# Altium PCB k210-core.PcbDoc (part 2 of 3) (continued)
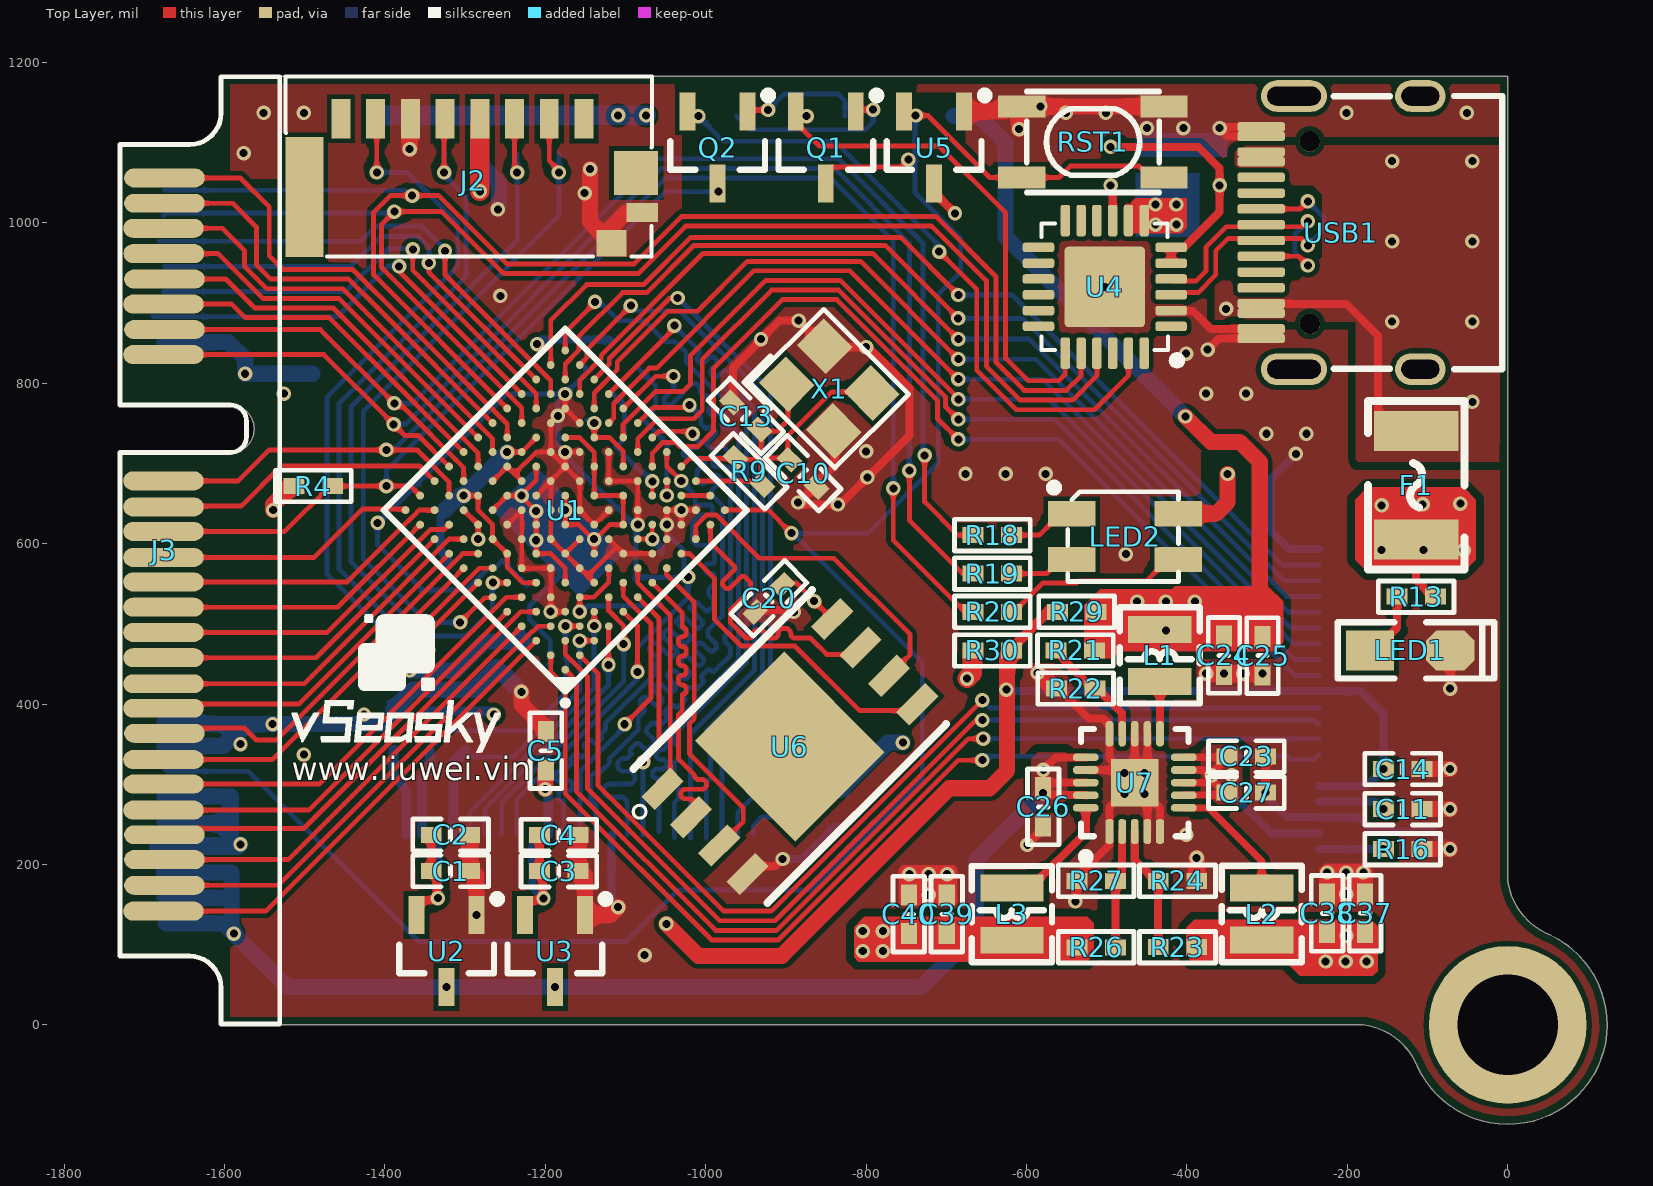
[diagram p0: Top Layer view]
## Nets (pads, with @x,y where several pads share a name; then routed paths per layer and width w, separated by ;. In a path a pad name is that pad's centre, name@x,y a point inside that pad or via, vN(x,y) a via of type N, cw(c..) or ccw(c..) an arc to the next point about the centre after c; other vN are vias at no path point) (continued)
IO_6: J3.1 U1.G11 | length 607.1
  Top Layer w6: J3.1@-1674.84,1055.91 -1580.25,1055.91 -1544.14,1019.81 -1544.14,958.79 -1527.17,941.81 -1440.03,941.81 -1379.14,880.92 -1379.14,880.81 -1247.48,749.14 U1.G11@-1247.48,732.29
IO_7: J3.3 U1.G12 | length 554.7
  Top Layer w6: J3.3@-1674.84,1024.42 -1589.75,1024.42 -1560.14,994.81 -1560.14,947.81 -1542.14,929.81 -1445.11,929.81 -1409.11,893.81 ; -1406,890.81 -1409,893.81 -1409.11,893.81 ; U1.G12@-1265.57,750.38 -1265.69,750.38 -1406.06,890.75 -1409.11,893.81
IO_8: J3.5 U1.F11 | length 547.6
  Top Layer w6: J3.5@-1676,993.19 -1602.53,993.19 -1575.14,965.81 -1575.14,945.84 -1547.11,917.81 -1452.33,917.81 -1265.57,731.05 U1.F11@-1265.57,714.19
IO_9: J3.7 U1.F12 | length 487
  Top Layer w6: J3.7@-1675.67,961.62 -1607.89,961.62 -1552.08,905.81 -1457.3,905.81 -1414.3,862.81 -1414.19,862.81 U1.F12@-1283.67,732.29
IO_10: J3.9 U1.E11 | length 497.9
  Top Layer w6: J3.9@-1674.84,929.93 -1598.35,929.93 -1562.23,893.81 -1464.52,893.81 -1283.67,712.95 U1.E11@-1283.67,696.1
IO_11: J3.11 U1.E12 | length 450.7
  Top Layer w6: J3.11@-1676,898.7 -1591.04,898.7 -1574.14,881.81 -1469.49,881.81 -1420.49,832.81 -1420.38,832.81 U1.E12@-1301.76,714.19
IO_12: J3.13 R18.2 U1.D11 | length 1691.3
  Top Layer w6: J3.13@-1674.84,866.94 -1480.27,866.94 v1(-1388.14,774.81) -1381.71,774.81 -1301.76,694.86 U1.D11@-1301.76,678 ; v1(-727,710) -727,652 -685.67,610.67 R18.2@-666.51,610.67
  Bottom Layer w6: v1(-1388.14,774.81) -1365.1,774.81 -1060.1,1079.81 -834.16,1079.81 -729,974.65 -729,712 v1(-727,710)
IO_13: J3.15 R19.2 U1.D12 | length 1680.5
  Top Layer w6: J3.15@-1676,835.71 -1476.05,835.71 v1(-1389.14,748.81) -1375.14,734.81 -1358.57,734.81 U1.D12@-1319.86,696.1 ; v1(-746,691) -746,629 -679.67,562.67 R19.2@-666.51,562.67
  Bottom Layer w6: v1(-1389.14,748.81) -1374.13,748.81 -1055.13,1067.81 -839.13,1067.81 -746,974.68 v1(-746,691)
IO_14: J3.17 R20.2 U1.C11 | length 1720.6
  Top Layer w6: J3.17@-1676,678.23 -1582.72,678.23 -1544.14,716.81 v1(-1398.14,716.81) -1359.9,716.81 -1319.86,676.77 U1.C11@-1319.86,659.91 ; v1(-766,669) -766,604 -676.86,514.86 R20.2@-666.51,514.86
  Bottom Layer w6: v1(-1398.14,716.81) -1389.16,716.81 -1050.16,1055.81 -844.1,1055.81 -766,977.71 v1(-766,669)
IO_15: J3.19 U1.C12 | length 367
  Top Layer w6: J3.19@-1676,645.75 -1674.94,646.81 -1579.14,646.81 -1529.14,696.81 -1356.76,696.81 U1.C12@-1337.95,678
IO_17: J3.23 U1.A12 | length 327.3
  Top Layer w6: J3.23@-1676,582.76 -1488.24,582.76 -1428,643 -1375.33,643 U1.A12@-1374.14,641.81
IO_18: J3.25 U1.B11 | length 375.2
  Top Layer w6: J3.25@-1676,552.25 -1446.85,552.25 -1371.21,627.89 -1371.11,627.89 -1360.22,638.78 -1360.22,638.87 -1357.28,641.81 U1.B11@-1337.95,641.81
IO_19: J3.27 U1.A11 | length 362.6
  Top Layer w6: J3.27@-1676,520.75 -1459.01,520.75 U1.A11@-1356.05,623.71
IO_20: J3.29 U1.B10 | length 411.8
  Top Layer w6: J3.29@-1676,489.25 -1471.7,489.25 -1343.41,617.54 -1326.03,617.54 U1.B10@-1319.86,623.72
IO_21: J3.31 U1.A10 | length 399.3
  Top Layer w6: J3.31@-1676,457.76 -1485.81,457.76 U1.A10@-1337.95,605.62
IO_22: J3.33 U1.B9 | length 448.9
  Top Layer w6: J3.33@-1676,425.28 -1500.72,425.28 -1320.38,605.62 U1.B9@-1301.76,605.62
IO_23: J3.35 U1.A9 | length 436
  Top Layer w6: J3.35@-1676,394.77 -1670.77,400 -1507.38,400 U1.A9@-1319.86,587.52
IO_24: J3.37 U1.B8 | length 495.3
  Top Layer w6: J3.37@-1674,364 -1668,370 -1575,370 -1560,355 -1535.52,355 -1303,587.53 U1.B8@-1283.67,587.52
IO_25: J3.39 U1.A8 | length 473.1
  Top Layer w6: J3.39@-1676,330.79 -1540.4,330.79 U1.A8@-1301.76,569.43
IO_26: J2.7 R17.2 U1.B7 | length 1092.2
  Top Layer w6: J2.7@-1411.54,1130 -1410,1128.46 v1(-1410,1062.76) ; v1(-1397,429) -1397,454.86 -1282.43,569.43 U1.B7@-1265.57,569.43
  Bottom Layer w6: R17.2@-1410,1086 v1(-1410,1062.76) -1372.13,1062.76 -1309,999.63 -1309,946 -1472,783 -1472,562 -1397,487 v1(-1397,429)
IO_27: J2.5 R15.2 U1.A7 | length 924.7
  Top Layer w6: v1@-1346,469 -1346,489 U1.A7@-1283.67,551.33 ; v1(-1326.14,1062.76) -1326.14,1128.78 J2.5@-1324.92,1130
  Bottom Layer w6: v1(-1346,467) -1347.91,468.91 -1357.91,468.91 -1457,568 -1457,775 -1299,933 -1299,1032.62 -1326.14,1059.77 v1(-1326.14,1062.76) -1326.14,1082.86 -1327.14,1083.86 R15.2@-1325,1086
IO_28: J2.3 R14.2 U1.B6 | length 943.7
  Top Layer w6: v1(-1265.33,551.33) U1.B6@-1247.48,551.33 ; U1.B6@-1247.95,551.81 U1.B6@-1247.48,551.33 ; U1.B6@-1247.25,551.33 U1.B6@-1247.48,551.33 ; J2.3@-1238.31,1130 -1238.31,1068.77 -1235,1065.46 v1(-1235,1062.76)
  Bottom Layer w6: v1(-1265.33,551.33) -1266.14,550.52 -1266.14,517.77 -1299.1,484.81 -1349.81,484.81 -1442,577 -1442,771 -1235,978 v1(-1235,1062.76) R14.2@-1235,1086
IO_29: J2.2 R12.2 U1.A6 | length 885.5
  Top Layer w6: v1(-1306.14,501.81) -1275.45,532.5 -1266.31,532.5 U1.A6@-1265.57,533.24 ; J2.2@-1195,1130 -1195,1077.46 -1183,1065.46 v1(-1183,1062.76)
  Bottom Layer w6: v1(-1306.14,501.81) -1347.71,501.81 -1427,581.1 -1427,765 -1183,1009 v1(-1183,1062.76) R12.2@-1183,1086
IO_30: J3.41 U1.B5 | length 543.1
  Top Layer w6: J3.41@-1676,300.28 -1481.68,300.28 -1248.71,533.24 U1.B5@-1229.38,533.24
IO_31: J3.43 U1.A5 | length 531
  Top Layer w6: J3.43@-1676,267.8 -1494.82,267.8 U1.A5@-1247.48,515.14
IO_32: J3.45 U1.B4 | length 578.8
  Top Layer w6: J3.45@-1674.84,237.01 -1666.86,245 -1500.76,245 -1230.62,515.14 U1.B4@-1211.29,515.14
IO_33: J3.47 U1.A4 | length 566
  Top Layer w6: J3.47@-1674.84,206.06 -1520.37,206.06 U1.A4@-1229.38,497.05
IO_34: J3.49 U1.B3 | length 615.5
  Top Layer w6: J3.49@-1674.84,174.02 -1533.08,174.02 -1216.22,490.87 -1215.08,490.87 -1208.91,497.05 U1.B3@-1193.19,497.05
IO_35: J3.51 U1.A3 | length 604.4
  Top Layer w6: J3.51@-1676,141.81 -1548.43,141.81 U1.A3@-1211.29,478.95
IO_36: P1.7 U1.A2 | length 1295.3
  Top Layer w6: U1.A2@-1193.19,460.86 -1193.19,440.41 -1175.02,422.24 -1175.02,288.3 -992.53,105.81 -909.23,105.81 -685.04,330 v1(-655,330)
  Bottom Layer w6: v1(-655,330) -650,335 -274.12,335 -269.61,330.49 -241.76,330.49 P1.7@-234.98,337.27
IO_37: P1.8 U1.A1 | length 1254.3
  Top Layer w6: U1.A1@-1175.1,442.76 -1161.14,428.81 -1161.14,291.39 -987.56,117.81 -911.37,117.81 -672.37,356.81 v1(-654.14,356.81)
  Bottom Layer w6: v1(-654.14,356.81) -235.12,356.81 P1.8@-234.98,356.96
IO_38: P1.9 U1.B2 | length 1283
  Top Layer w6: U1.B2@-1175.1,478.95 -1175.1,462.09 -1147.14,434.14 -1147.14,294.36 -982.59,129.81 -913.52,129.81 -663.33,380 v1(-655,380)
  Bottom Layer w6: v1(-655,380) -242,380 -236.81,374.81 P1.9@-234.98,376.64
IO_39: P1.10 U1.B1 | length 1249.7
  Top Layer w6: U1.B1@-1157,460.86 -1134.14,438 -1134.14,298.33 -977.62,141.81 -918.19,141.81 v1(-655,405)
  Bottom Layer w6: v1(-655,405) -645,395 -236.3,395 P1.10@-234.98,396.33
ISP_RX: J3.4 U1.H11 U4.21 | length 1762.8
  Top Layer w6: v1@-1388,1013 v1@-1390,1013 ; U1.H11@-1229.38,750.38 -1229.38,769.4 -1404,944.02 -1404,998 -1390,1012 v1@-1390,1013 ; U4.21@-512.2,837.45 -512.2,809.35 -542.55,779 -607.94,779 -650,821.06 -650,928 -718,996 -1025.03,996 -1084.27,936.76 -1251.76,936.76 -1329,1014 v1(-1388,1014) -1389,1014 v1@-1390,1013
  Bottom Layer w6: J3.4@-1676,1008.94 -1672.85,1012.09 -1387.91,1012.09 v1@-1386,1014
ISP_TX: J3.2 U1.H12 U4.20 | length 1764
  Top Layer w6: v1@-1366,1033 -1367,1034 -1393,1034 -1414,1013 -1414,935 U1.H12@-1247.48,768.48 ; v1(-1366,1034) -1333,1034 -1247.76,948.76 -1089.24,948.76 -1030,1008 -713,1008 -638,933 ; -638,932.97 -638,826.03 -602.97,791 -550.23,791 -531.88,809.35 U4.20@-531.88,837.45
  Bottom Layer w6: J3.2@-1674.84,1040.71 -1375.41,1040.71 -1369.71,1035 v1@-1366,1035
JTAG_TCK: J3.6 U1.K11 | length 612
  Top Layer w6: v1(-1325,965) -1325,935.24 -1193.19,803.43 U1.K11@-1193.19,786.57
  Bottom Layer w6: J3.6@-1682,977 -1430,977 -1411,996 -1353.86,996 -1325,967.14 v1(-1325,965)
JTAG_TDI: J3.8 U1.K12 | length 576.6
  Top Layer w6: v1(-1345,950) -1345,938.38 U1.K12@-1211.29,804.67
  Bottom Layer w6: J3.8@-1674.84,945.68 J3.8@-1674.84,945.68 -1442.32,945.68 -1405.19,982.81 -1358.52,982.81 -1345,969.29 v1(-1345,950) v1@-1349,946
JTAG_TDO: J3.12 U1.J12 | length 555.8
  Top Layer w6: v1(-1382.14,945.81) -1382.14,939.33 U1.J12@-1229.38,786.57
  Bottom Layer w6: J3.12@-1689,884 -1687.96,882.96 J3.12@-1676,882.96 -1603.98,882.96 -1603.94,883 -1459,883 -1396.19,945.81 v1(-1382.14,945.81)
JTAG_TMS: J3.10 U1.J11 | length 597.7
  Top Layer w6: v1(-1365.14,966.81) -1365.14,940.95 -1211.29,787.1 U1.J11@-1211.29,768.48
  Bottom Layer w6: J3.10@-1676,914.45 -1448.55,914.45 -1395,968 -1369.99,968 -1368.99,969 v1@-1363,969
NetC6_1: C6.1 R6.2 U4.5 U4.6 | length 300.1
  Top Layer w10: v1(-495.14,1094.81) -385.81,1094.81 -359.14,1068.14 v1(-359.14,1046.81) -359.14,1013.6 -403.4,969.34 U4.6@-419.68,969.34 U4.5@-419.68,949.66
NetC10_1: C10.1 R9.2 U1.M3 X1.3 | length 302.4
  Top Layer w6: U1.M3@-1012.24,678 -936,678 -933.23,675.23 R9.2@-931.08,675.23 ; R9.2@-928.96,673.11 R9.2@-931.08,675.23 ; R9.2@-928,674 -929.23,675.23 R9.2@-931.08,675.23 ; C10.1@-900,706 -900.72,706.72 -924.14,706.72 -931.08,699.78 R9.2@-931.08,675.23 ; C10.1@-895.53,704.6 -897.65,706.72 -897.65,734.35 -842.8,789.2 -802.2,789.2 X1.3@-798,785
NetC13_1: C13.1 R9.1 U1.M4 X1.1 | length 222.9
  Top Layer w6: U1.M4@-1030.33,696.1 -1020.43,706 R9.1@-965,706 ; R9.1@-965,704.93 R9.1@-960.78,704.93 ; R9.1@-962.9,707.06 R9.1@-960.78,704.93 ; C13.1@-933.09,742.16 -930.97,740.04 -910.96,740.04 -897.32,753.68 -897.32,796.32 X1.1@-900,799 ; C13.1@-930.97,737.97 -930.97,714.03 -940.07,704.93 R9.1@-960.78,704.93
NetC41_1: C41.1 C42.1 R25.1 U1.L4 | length 206.6
  Top Layer w6: U1.L4@-1048.43,678 -1048.14,677.72 U1.L4@-1048.14,677.95 ; v1(-1048.29,660.01) U1.L4@-1048.29,677.86
  Bottom Layer w6: R25.1@-1083.88,818.46 -1062.14,796.72 -1062.14,770.15 C42.1@-1077.78,754.51 C41.1@-1046.37,723.1 -1048.49,720.98 -1048.49,660.22 v1@-1048.14,659.87
NetC41_2: C41.2 C42.2 R28.1 U1.K4 | length 158.6
  Top Layer w6: U1.K4@-1066.52,659.68 U1.K4@-1066.52,659.91 ; v1(-1066.52,677.75) U1.K4@-1066.52,659.91 ; U1.K4@-1066.14,660.29 U1.K4@-1066.52,659.91
  Bottom Layer w6: R28.1@-1115.7,786.64 -1101.04,771.98 -1101.04,731.25 C42.2@-1111.72,720.57 C41.2@-1080.31,689.16 C41.2@-1077.93,689.16 ; C41.2@-1077.49,689.16 C41.2@-1077.93,689.16 ; v1(-1066.52,677.75) C41.2@-1077.93,689.16
NetJ1_23: J1.23 R2.1 | length 115.2
  Bottom Layer w6: J1.23@-960,237 -960,265.09 -933.09,292 R2.1@-884,292
NetJ1_24: J1.24 R1.1 | length 77.1
  Bottom Layer w6: J1.24@-940.31,237 -940.31,248.09 -929.14,259.26 -899.26,259.26 -887,247 R1.1@-884,247
NetL1_1: L1.1 U7.11 | length 65.2
  Top Layer w10: L1.1@-433.77,428.16 -433.5,427.89 U7.11@-433.5,363.02
NetL2_1: L2.1 U7.6 | length 158.4
  Top Layer w9: U7.6@-403.98,270.5 -372.84,270.5 -306.73,204.4 L2.1@-306.73,170.64
NetL3_1: L3.1 U7.20 | length 151.4
  Top Layer w10: L3.1@-618.14,170.51 -595.51,170.51 -526.02,239.99 U7.20@-526.02,270.5
NetLED1_1: LED1.1 R13.2 | length 83.8
  Top Layer w10: LED1.1@-171.64,466.81 -166.64,466.81 -138.14,495.31 R13.2@-138.14,533.81
NetLED2_1: LED2.1 R18.1 | length 85.9
  Top Layer w6: R18.1@-618.51,610.67 -584.11,610.67 -557.42,637.35 LED2.1@-543.64,637.35
NetLED2_2: LED2.2 R19.1 | length 82.2
  Top Layer w6: R19.1@-618.51,562.67 -575.02,562.67 -557.42,580.27 LED2.2@-543.64,580.27
NetLED2_3: LED2.3 R20.1 | length 235
  Top Layer w6: R20.1@-618.51,514.86 -615.51,514.86 -579.37,551 -537.34,551 -534.53,553.81 -450.14,553.81 -423.69,580.27 LED2.3@-410.64,580.27
NetP1_1: P1.1 R16.1 | length 79.8
  Bottom Layer w10: P1.1@-234.98,219.16 v1(-155.16,219.16)
NetQ1_1: Q1.1 R10.2 | length 218.9
  Top Layer w6: Q1.1@-812.74,1138.81 -810.5,1141.05 v1(-791.09,1141.05)
  Bottom Layer w6: R10.2@-961.14,1133.05 -944.14,1116.05 -800.9,1116.05 -791.09,1125.87 v1(-791.09,1141.05)
NetQ2_1: Q2.1 R11.2 | length 163.2
  Top Layer w6: Q2.1@-947.74,1138.81 -947.74,1147.05 -941.51,1140.81 v1(-922.14,1140.81)
  Bottom Layer w6: v1(-922.14,1140.81) -902.14,1160.81 -835.14,1160.81 -826.14,1151.81 R11.2@-826.14,1133.05
NetR6_1: R6.1 U4.9 | length 45.1
  Top Layer w10: v1(-495.14,1046.81) -495.14,1045.19 -492.51,1042.56 U4.9@-492.51,1002.81
NetR21_1: R21.1 R22.1 U7.14 | length 143.2
  Top Layer w10: R21.1@-563.14,466.81 -560.14,466.81 -555.14,461.81 -555.14,456.69 -517.77,419.32 R22.1@-514.77,419.32 -511.77,419.32 -481.02,388.57 -481.02,363.3 U7.14@-480.75,363.02
NetR23_1: R23.1 R24.1 U7.3 | length 158
  Top Layer w10: U7.3@-465,240.98 -465,205.75 -438.73,179.48 R24.1@-435.73,179.48 R23.1@-435.73,96.85
NetR26_1: R26.1 R27.1 U7.2 | length 149.5
  Top Layer w10: R26.1@-489.14,96.71 R27.1@-489.14,179.48 -486.14,179.48 -480.75,184.87 U7.2@-480.75,240.98
NetU1_L3: U1.L3 U1.M2 | length 36.2
  Top Layer w6: U1.L3@-1030.33,659.91 U1.M2@-994.14,659.91
RESETN: C9.1 J3.40 Q1.3 R8.1 RST1.2 U1.M1 U5.2 | length 2780.1
  Top Layer w6: U1.M1@-976.06,641.94 -976,642 -922,642 v1(-893,613) ; Q1.3@-850.14,1048.81 -850.14,1062.59 -843.3,1069.43 -756.52,1069.43 v1(-747.14,1078.81) ; U5.2@-752.54,1138.81 -747.55,1133.81 v1(-738.14,1133.81) -722.81,1133.81 -645.52,1056.52 RST1.2@-605.73,1056.52 -559.44,1056.52 -545.14,1070.81 -460.05,1070.81 -445.75,1056.52 RST1.2@-428.56,1056.52
  Bottom Layer w6: J3.40@-1674.14,318.81 -1671.63,316.3 -1570.3,316.3 -1358,104 -1099,104 -1035,168 -867,168 -730,305 -730,452 v1@-891,613 ; v1(-893,613) v1@-891,613 ; C9.1@-748,1079 -747,1079 C9.1@-739,1087 ; R8.1@-739.14,1133.05 -739.14,1087.14 C9.1@-739,1087 ; C9.1@-738,1086 C9.1@-739,1087 ; v1@-891,613 -797.96,613 -710,700.96 -710,911 -682,939 -682,980.62 -739,1037.62 C9.1@-739,1087
RTS: Q1.2 R11.1 U4.19 | length 634.9
  Top Layer w6: v1(-874.14,1133.05) -881.79,1133.05 Q1.2@-887.54,1138.81 -887.55,1125.03 -858.32,1095.81 -709.14,1095.81 -626,1012.67 -626,831 -598,803 -560,803 -551.57,811.43 U4.19@-551.57,837.45
SPI0_D0: P1.19 U1.L12 | length 1225.8
  Top Layer w6: U1.L12@-1193.19,822.76 -1193.19,878.31 -1148.5,923 -1077.48,923 -1018.67,981.81 -756.81,981.81 v1(-685,910)
  Bottom Layer w6: v1(-685,910) -617.54,910 -281.03,573.49 P1.19@-234.98,573.49
SPI0_D1: P1.18 U1.L11 | length 1204
  Top Layer w6: U1.L11@-1175.1,804.67 -1175.1,824 -1158.18,840.92 -1158.18,858.32 -1103.5,913 -1073.34,913 -1014.53,971.81 -776.14,971.81 v1(-685.14,880.81)
  Bottom Layer w6: v1(-685.14,880.81) -605.32,880.81 -278.32,553.81 P1.18@-234.98,553.81
SPI0_D2: P1.17 U1.L10 | length 1184.4
  Top Layer w6: U1.L10@-1157,786.57 -1157,803.95 -1130.14,830.81 -1130.14,834.99 -1003.32,961.81 -791.81,961.81 v1(-685,855)
  Bottom Layer w6: v1(-685,855) -596.48,855 -275.61,534.12 P1.17@-234.98,534.12
SPI0_D3: P1.16 U1.L9 | length 1178.3
  Top Layer w6: U1.L9@-1138.91,768.48 -1138.91,787.81 -1110.14,816.57 -1110.14,826.7 -1047.04,889.81 -1010.19,889.81 -948.19,951.81 -806.81,951.81 v1(-685,830)
  Bottom Layer w6: v1(-685,830) -588.45,830 -272.89,514.44 P1.16@-234.98,514.44
SPI0_D4: P1.15 U1.L8 | length 1159.7
  Top Layer w6: U1.L8@-1120.81,750.38 -1120.62,750.38 -1114.64,756.36 -1114.64,774.72 -1070.55,818.81 -1061.19,818.81 -939.79,940.21 -820.21,940.21 v1(-685,805)
  Bottom Layer w6: v1(-685,805) -580.42,805 -270.18,494.75 P1.15@-234.98,494.75
SPI0_D5: P1.14 U1.L7 | length 1167.9
  Top Layer w6: U1.L7@-1102.72,732.29 -1102.72,732.79 -1103,733.07 -1103,748.86 -1062.05,789.81 -1028.14,789.81 -1019,798.95 -1019,834 -924.79,928.21 -832.12,928.21 -685,781.08 v1(-685,780)
  Bottom Layer w6: v1(-685,780) -572.39,780 -267.46,475.07 P1.14@-234.98,475.07
SPI0_D6: P1.13 U1.L6 | length 1178.4
  Top Layer w6: U1.L6@-1084.62,714.19 -1084.62,731.05 -1059.86,755.81 -1014.52,755.81 -1004.14,766.18 -1004.14,829.86 -917.79,916.21 -834.26,916.21 -701,782.94 -701,771 v1(-685,755)
  Bottom Layer w6: v1(-685,755) -565.28,755 -265.66,455.38 P1.13@-234.98,455.38
SPI0_D7: P1.12 U1.L5 | length 1185.9
  Top Layer w6: U1.L5@-1065.81,696.81 U1.L5@-1066.52,696.1 -1066.52,712.95 -1053.37,726.11 -1037.45,726.11 -1032.34,721.01 -1009.72,721.01 -990.29,740.43 -990.29,818.33 -904.42,904.21 -836.41,904.21 -711,778.8 -711,756 v1(-685,730)
  Bottom Layer w6: v1(-685,730) -559.96,730 -265.66,435.7 P1.12@-234.98,435.7
USB-PWR-DM: U4.4 USB1.A7 USB1.B7 | length 353.6
  Top Layer w6: U4.4@-419.68,929.97 -417.2,927.5 -388.47,927.5 -376,939.97 -376,970 -351,995 -310.01,995 USB1.A7@-307.36,997.65 -304.7,995 -257,995 -250.19,1001.81 v1(-249.14,1001.81) ; USB1.B7@-307.36,958.28 -260.62,958.28 v1(-249.14,946.81)
  Bottom Layer w6: v1(-249.14,946.81) -265.43,963.1 -265.43,985.52 v1(-249.14,1001.81)
USB-PWR-DP: U4.3 USB1.A6 USB1.B6 | length 356.8
  Top Layer w6: U4.3@-419.68,910.29 -416.97,913 -386,913 -364,935 -364,965 -348.5,980.5 -309.89,980.5 USB1.A6@-307.36,977.97 -304.82,980.5 -257.5,980.5 -249.14,972.14 v1(-249.14,971.81) ; USB1.B6@-307.36,1017.34 -258.62,1017.34 v1(-249.14,1026.81)
  Bottom Layer w6: v1(-249.14,971.81) -229.14,991.81 -229.14,1006.81 v1(-249.14,1026.81)
VBUS: C7.2 C8.2 F1.1 J3.42 J3.44 J3.46 U4.7 U4.8 USB1.A4 USB1.A9 USB1.B4 USB1.B9 | length 3049.6
  Top Layer w10: USB1.A4@-307.36,887.42 USB1.B9@-307.36,897.64 ; USB1.B9@-307.36,899.23 USB1.B9@-307.36,897.64 ; F1.1@-114.14,740.31 -141.64,740.31 -161.64,760.31 -161.64,859.31 -201.33,899 -306,899 USB1.B9@-307.36,897.64
  PWR w20: v1(-1580,225) -1434.81,79.81 -1184.81,79.81 -1143.81,38.81 -143.08,38.81 -68,113.89 -68,114 -32,150 -32,760.67 v1@-44.14,772.81
  Bottom Layer w20: J3.46@-1684.14,221.81 -1683.95,221.62 J3.46@-1678.38,221.62 ; J3.46@-1680,220 J3.46@-1678.38,221.62 ; J3.44@-1674.84,253.31 -1672.54,251 -1592,251 ; J3.42@-1674.84,284.8 -1592,284.8 ; -1592,285 -1592,284.8 ; v1(-1580,225) -1583.38,221.62 J3.46@-1676.33,221.62 ; J3.46@-1678.38,221.62 J3.46@-1676.33,221.62 ; J3.46@-1676.33,221.62 -1674.14,223.81 -1591.86,223.81 -1592,223.95 -1592,251 ; -1592,251 -1592,284.8
  other v1: -44.14,776.81 -144.14,876.81 -44.14,876.81 -351.14,892.81 -144.14,976.81 -44.14,976.81 -439.14,997.81 -413.14,997.81 -439.14,1022.81 -413.14,1022.81 -144.14,1076.81 -44.14,1076.81
VCC_BANK: C5.1 C14.2 C19.2 J1.11 P1.5 P1.11 R3.2 R5.2 R29.1 R30.2 U1.D3 U1.F3 | length 2351.8
  Top Layer w6: v1(-1157,515.16) U1.D3@-1157,533.01 ; U1.D3@-1157,533.24 -1139.57,533.24 -1120.81,552 U1.F3@-1120.81,569.43
  Top Layer w12: R30.2@-618.51,466.81 R30.2@-615.51,466.81 ; R30.2@-616.14,466.18 R30.2@-615.51,466.81 ; R29.1@-561.37,514.86 -561.51,515 -573,515 -615.51,472.49 R30.2@-615.51,466.81
  Top Layer w20: v1(-1200,294) -1200,316.95 C5.1@-1199.14,317.81 ; v1(-1049,126) -1009,86 -905,86 -696,295 -645.95,295 -624,316.95 -624,461.32 R30.2@-618.51,466.81
  PWR w20: v1(-1264.14,386.81) -1264.14,492.86 -1218,539 -1180,539 v1@-1157,516 ; v1@-1264,387 -1264,357 -1201,294 v1(-1200,294) -1200,293 -1049,142 v1(-1049,126)
  Bottom Layer w6: v1(-1157,515.16) -1154.3,515.16 -1147.15,522.31 -1057.97,522.31 C19.2@-1055.85,524.43
  Bottom Layer w10: v1(-625,418) -623,416 P1.11@-234.98,416.01 ; P1.5@-234.98,297.9 -176.1,297.9 v1(-155,319) -155,387.67 -183.33,416 P1.11@-234.98,416.01
  Bottom Layer w12: R5.2@-1344.14,390.81 R3.2@-1299.14,390.81 -1268.14,390.81 v1(-1264.14,386.81) ; v1(-1200,294) -1196.22,290.22 J1.11@-1196.22,237
VIN: C23.1 C26.1 C27.1 F1.2 J3.48 J3.50 J3.52 P1.2 R13.1 U2.3 U3.3 U7.7 U7.8 U7.9 U7.10 U7.16 U7.18 U7.19 | length 2335.2
  Top Layer w9: U7.7@-403.98,286.25 -403.75,286.48 -351.52,286.48 C27.1@-348,290 ; U7.8@-403.98,302 -365.13,302 -353.13,290 C27.1@-350,290 ; U7.9@-403.98,317.75 -370.25,317.75 v1@-370,318 ; U7.10@-403.98,333.5 -403.75,333.72 -351.72,333.72 -351,333 -353,331 -352,330 -369,313 v1(-369,311)
  Top Layer w10: U7.19@-526.02,286.25 -526.3,286.53 -579.86,286.53 C26.1@-582.14,288.81 ; U7.18@-526.02,302 -579.14,302 v1(-579.14,288.81) C26.1@-582.14,288.81 ; U7.16@-526.02,333.5 -563.5,333.5 v1(-579,318) -579,291.95 C26.1@-582.14,288.81 ; F1.2@-114.14,605.31 -114.14,554.81 -93.14,533.81 R13.1@-90.14,533.81
  Bottom Layer w6: J3.48@-1676,190.04 J3.48@-1675.42,189.46 ; J3.50@-1675.42,157.09 J3.50@-1674.84,156.51 ; J3.52@-1674.84,127.32 -1672.66,127.32 -1603.66,127.32 -1602.96,126.63 -1590.14,113.81 v1(-1588.14,113.81) ; J3.50@-1674.84,158.27 J3.50@-1674.84,156.51 ; J3.50@-1674.14,155.81 J3.50@-1674.84,156.51
  Bottom Layer w9: v1(-369,311) v1(-344,311) v1@-343,311
  Bottom Layer w10: v1(-344,311) -344,288 -294.85,238.85 P1.2@-234.98,238.85
  Bottom Layer w20: J3.48@-1676,190.04 -1591.04,190.04 ; J3.50@-1674.84,158.27 -1592.61,158.27 -1591.14,156.81 ; J3.52@-1673.14,127.81 -1672.66,127.32 -1671.96,126.63 -1602.96,126.63 -1600.96,126.63 v1(-1588.14,113.81) -1521.33,47 v1(-1323,47) v1(-1188,47) -731,47 -663,115 -663,205 v1@-579.19,288.81 ; -1591.14,178.33 -1591.14,156.81 ; -1591,179 -1591.04,179.04 -1591.04,190.04 ; -1591,190 -1591.04,190.04 ; v1@-1586.14,114.81 -1591.14,119.81 -1591.14,156.81
  other v1: -157.14,591.81 -105,592 -55,592 -157.14,647.81 -106,649 -59,650
pads on no net: J1.1 J1.P0 J2.1 J2.8 J2.G1 J2.G2 J3.16 J3.18 J3.20 J3.22 J3.24 J3.26 J3.28 J3.30 J3.32 J3.34 P1.6 P1.21 P1.22 P1.23 P1.24 P1.P0 U4.1 U4.10 U4.11 U4.12 U4.13 U4.14 U4.15 U4.16 U4.17 U4.18 U4.22 U4.24 U6.9 USB1.0 USB1.1 USB1.2 USB1.3 USB1.4 USB1.A5 USB1.A8 USB1.B5 USB1.B8

## Polygon pours and split planes (outlines as drawn)
3V3 on PWR "PWR-3V3" (solid, remove dead copper, pour order 52): -1774.2,1210.51 -1774.2,-38.2 32.41,-38.2 27.16,1208.48
VBUS on PWR "PWR-VBUS" (solid, remove dead copper, pour order 36): -397,1041 -398,1042 -465,1042 -465,983 -462,980 -367,980 -367,858 -191,858 -191,719 -13,719 -12,718 -11,719 -11,1175 -350,1175 -346,1171 -346,1042
0V9 on PWR "PWR-0V9" (solid, remove dead copper, pour order 16): -1172,877.06 -1216.33,877.06 -1277.76,815.62 -1277.76,636.76 -1262.88,621.88 -1235.05,621.88 -1228.52,615.36 -1228.52,587.52 -1174.24,533.24 -1124.24,533.24 -819.14,228.14 -819.14,80 -758.88,80 -758.88,246.88 -973,461 -1107.43,595.43 -1107.43,639.43 -1172,704
1V8 on PWR "PWR-1V8" (solid, remove dead copper, pour order 14): -1150,768 -1165,753 -1165,707 -1112,654 -1112,614.52 -974.48,477 -375,477 -375,554 -853.33,554 -868.98,569.65 -952.98,569.65 -998,614.67 -998,685 -1081,768
VIN on PWR "PWR-VIN" (solid, remove dead copper, pour order 6): -189.14,711 -189.14,413.86 -243,360 -599.14,360 -599.14,275.51 -0.14,276.49 -0.14,711
GND on Top Layer "Top Layer-GND" (solid, remove dead copper, pour order 58): -1852.43,1330.69 -1852.43,-182.71 223.77,-182.71 223.77,1330.69
GND on Top Layer "Top Layer-GND 1" (solid, remove dead copper, pour order 50): -377,454 -386,444 -386,419 -379,412 -283,412 -276,419 -276,449 -281,454
VIN on Top Layer "Top Layer-VIN" (solid, remove dead copper, pour order 46): -586,340 -594,332 -594,282 -586,274 -557,274 -549,282 -549,338 -551,340
VIN on Top Layer "Top Layer-VIN 1" (solid, remove dead copper, pour order 44): -375,349 -383,341 -383,279 -379,275 -336,275 -331,280 -331,342 -338,349
VBUS on Top Layer "Top Layer-VBUS" (solid, remove dead copper, pour order 2): -340.14,1097 -340.14,1047 -243,1047 -231,1035 -231,958 -261,928 -365.14,928 -365.14,876.81 -189.14,876.81 -189.14,706.81 -194.14,701.81 -10.34,701.81 -9.14,1097
GND on GND "GND-GND" (solid, remove dead copper, pour order 24): -1771.3,1213.03 -1771.3,-38 39.9,-38 39.9,1203.03
GND on Bottom Layer "Bottom Layer-GND" (solid, remove dead copper, pour order 56): -1833.63,1264.18 -1833.63,-173.5 189.47,-173.5 189.47,1271.72

## Other copper
Top Layer:
  pour cut-out: -869.2,803.4 -888.6,784 -888.6,780.9 -881.55,780.9 -872.81,772.16 -849.29,795.68 -853.28,795.68 -864.46,806.86
  pour cut-out: -1580,1060 -1575,1055 -1525,1055 -1525,955 -1535,945 -1570,980 -1570,995
  region net VIN: -190,655 -190,580 -175,565 -55,565 -40,580 -40,655 -55,670 -175,670
  region net GND: -228,201 -235,194 -235,150 -233,148 -170,148 -168,150 -168,193 -176,201
  region net GND: -754,199 -759,194 -759,152 -756,149 -689,149 -686,152 -686,195 -690,199
  region net 0V9: -815,122 -815,84 -810,79 -525,79 -516,88 -516,127 -524,135 -802,135
  region net 3V3: -401,121 -401,86 -394,79 -277,79 -259,61 -168,61 -162,67 -162,123 -170,131 -391,131
  region net 1V8: -528,523 -528,457 -493,457 -484,466 -291,466 -280,477 -280,528 -299,547 -415,547 -419,543 -508,543
  pour cut-out: -380,717 -383,714 -383,550 -325,550 -337,562 -337,708
  pour cut-out: -664,191.07 -664,133 -571,133 -571,184 -577,190
  pour cut-out: -653,443 -653,436 -676,413 -664,401 -664,396 -651,396 -632,415 -638,421 -638,435
  pour cut-out: -788,415 -762,389 -759,389 -759,392 -723,428 -752,457 -753,457
  pour cut-out: -685,511 -685,460 -615,460 -606,451 -577,451 -577,511 -580,514
  pour cut-out: -1037,588 -1042,583 -1042,549 -1004,511 -990,525 -984,525 -984,562 -1010,588
  pour cut-out: -1134.14,434.17 -1134.14,302.17 -1010.14,178.17 -1004.14,178.17 -989.14,193.17 -1067.14,271.17 -1067.14,425.17 -1108.14,466.17
  pour cut-out: -1430,457 -1548,339 -1548,303 -1524,279 -1444,279 -1444,324 -1351,417 -1376,442 -1376,470
  pour cut-out: -1510,622 -1510,546 -1507,543 -1499,551 -1396,551 -1396,600 -1370,626 -1378,634 -1378,651 -1462,651 -1467,646
  pour cut-out: -1589,829 -1589,730 -1584,725 -1415,725 -1415,753 -1398,770 -1464,836 -1508,836
  pour cut-out: -1539,338 -1540,337 -1540,299 -1598,299 -1600,301 -1594,307 -1594,336
  pour cut-out: -1593,587 -1593,555 -1588,550 -1584,554 -1510,554 -1510,608
  pour cut-out: -1033,1163 -1030,1160 -1030,1018 -683,1018 -676,1025 -676,1163
  pour cut-out: -987,670 -987,651 -928,592 -890,592 -890,631 -927,668 -967,668
  pour cut-out: -446,654.75 -446,571 -388,571 -384,567 -384,657
  pour cut-out: -575,659 -575,571 -568,564 -508,564 -508,653 -512,657
  pour cut-out: -682,616 -679,613 -679,510 -611,510 -609,508 -605,512 -605,619
  pour cut-out: -987,606 -939,558 -939,542 -914,542 -895,561 -895,579 -926,579 -950,603
  pour cut-out: -1086,286 -1086,284 -994,192 -928,258 -928,261 -931,261 -1020,350
  pour cut-out: -512,193 -512,80 -420,80 -419,81 -419,193
  pour cut-out: -1773,1186 -1773,3 -1766,-4 -1593,-4 -1593,1183.73
  region net VBUS: -475,987 -406.95,987 -400.14,993.81 -400.14,1030.81 -464.14,1030.81 -469.49,1025.46 -469.49,1023.57 -476.46,1023.57
PWR:
  region net 3V3: -171,258 -168,255 -143,255 -142,256 -142,275 -148,281 -166,281 -171,276
Bottom Layer:
  rectangle net VBUS: -464.14,982.13 -384.14,1061.81
  rectangle net GND: -464.14,1081.81 -349.14,1111.81
  pour cut-out: -1116.86,564.86 -1078.5,526.5 -1097,508 -1132,543 -1144,543
  pour cut-out: -871,46 -871,4 -867,0 -861,6 -780,6 -780,45 -772,53
  pour cut-out: -1774,1182 -1774,-4 -1599,-4 -1599,1180.53
  region net 0V9: -1265.57,641.81 -1211.28,696.1 -1102.7,587.52 -1156.99,533.23

## Silkscreen, mask and mechanical layers (free items; w line width, h text height)
Top Overlay:
  drawing of 10 lines, arcs and shapes, not listed
  text "www.liuwei.vin" at -1516.2,295.13 h50
Bottom Overlay:
  text "DVP" at -746.73,174.65 h60
  text "JLCJLCJLC" at -1085,100 h39.37
  text "LCD" at -295.8,83.4 h60 r270
Mechanical 1:
  the board outline again, w10